# Altium PCB EL2086.PcbDoc (part 3 of 4)
Units mil, origin at the board's own origin, x right, y up, seen from the top; angles counter-clockwise.
Board outline 2480.31 x 1417.32 mil, 6 copper layers (L1_TOP, L2_GND, L3_HS, L4_POWER, L5_GND, L6_BOT), stack 61.6 mil thick; 259 components, 205 nets, 1000 pads, 534 vias.
Unrouted connection lines stored in the file: 92.
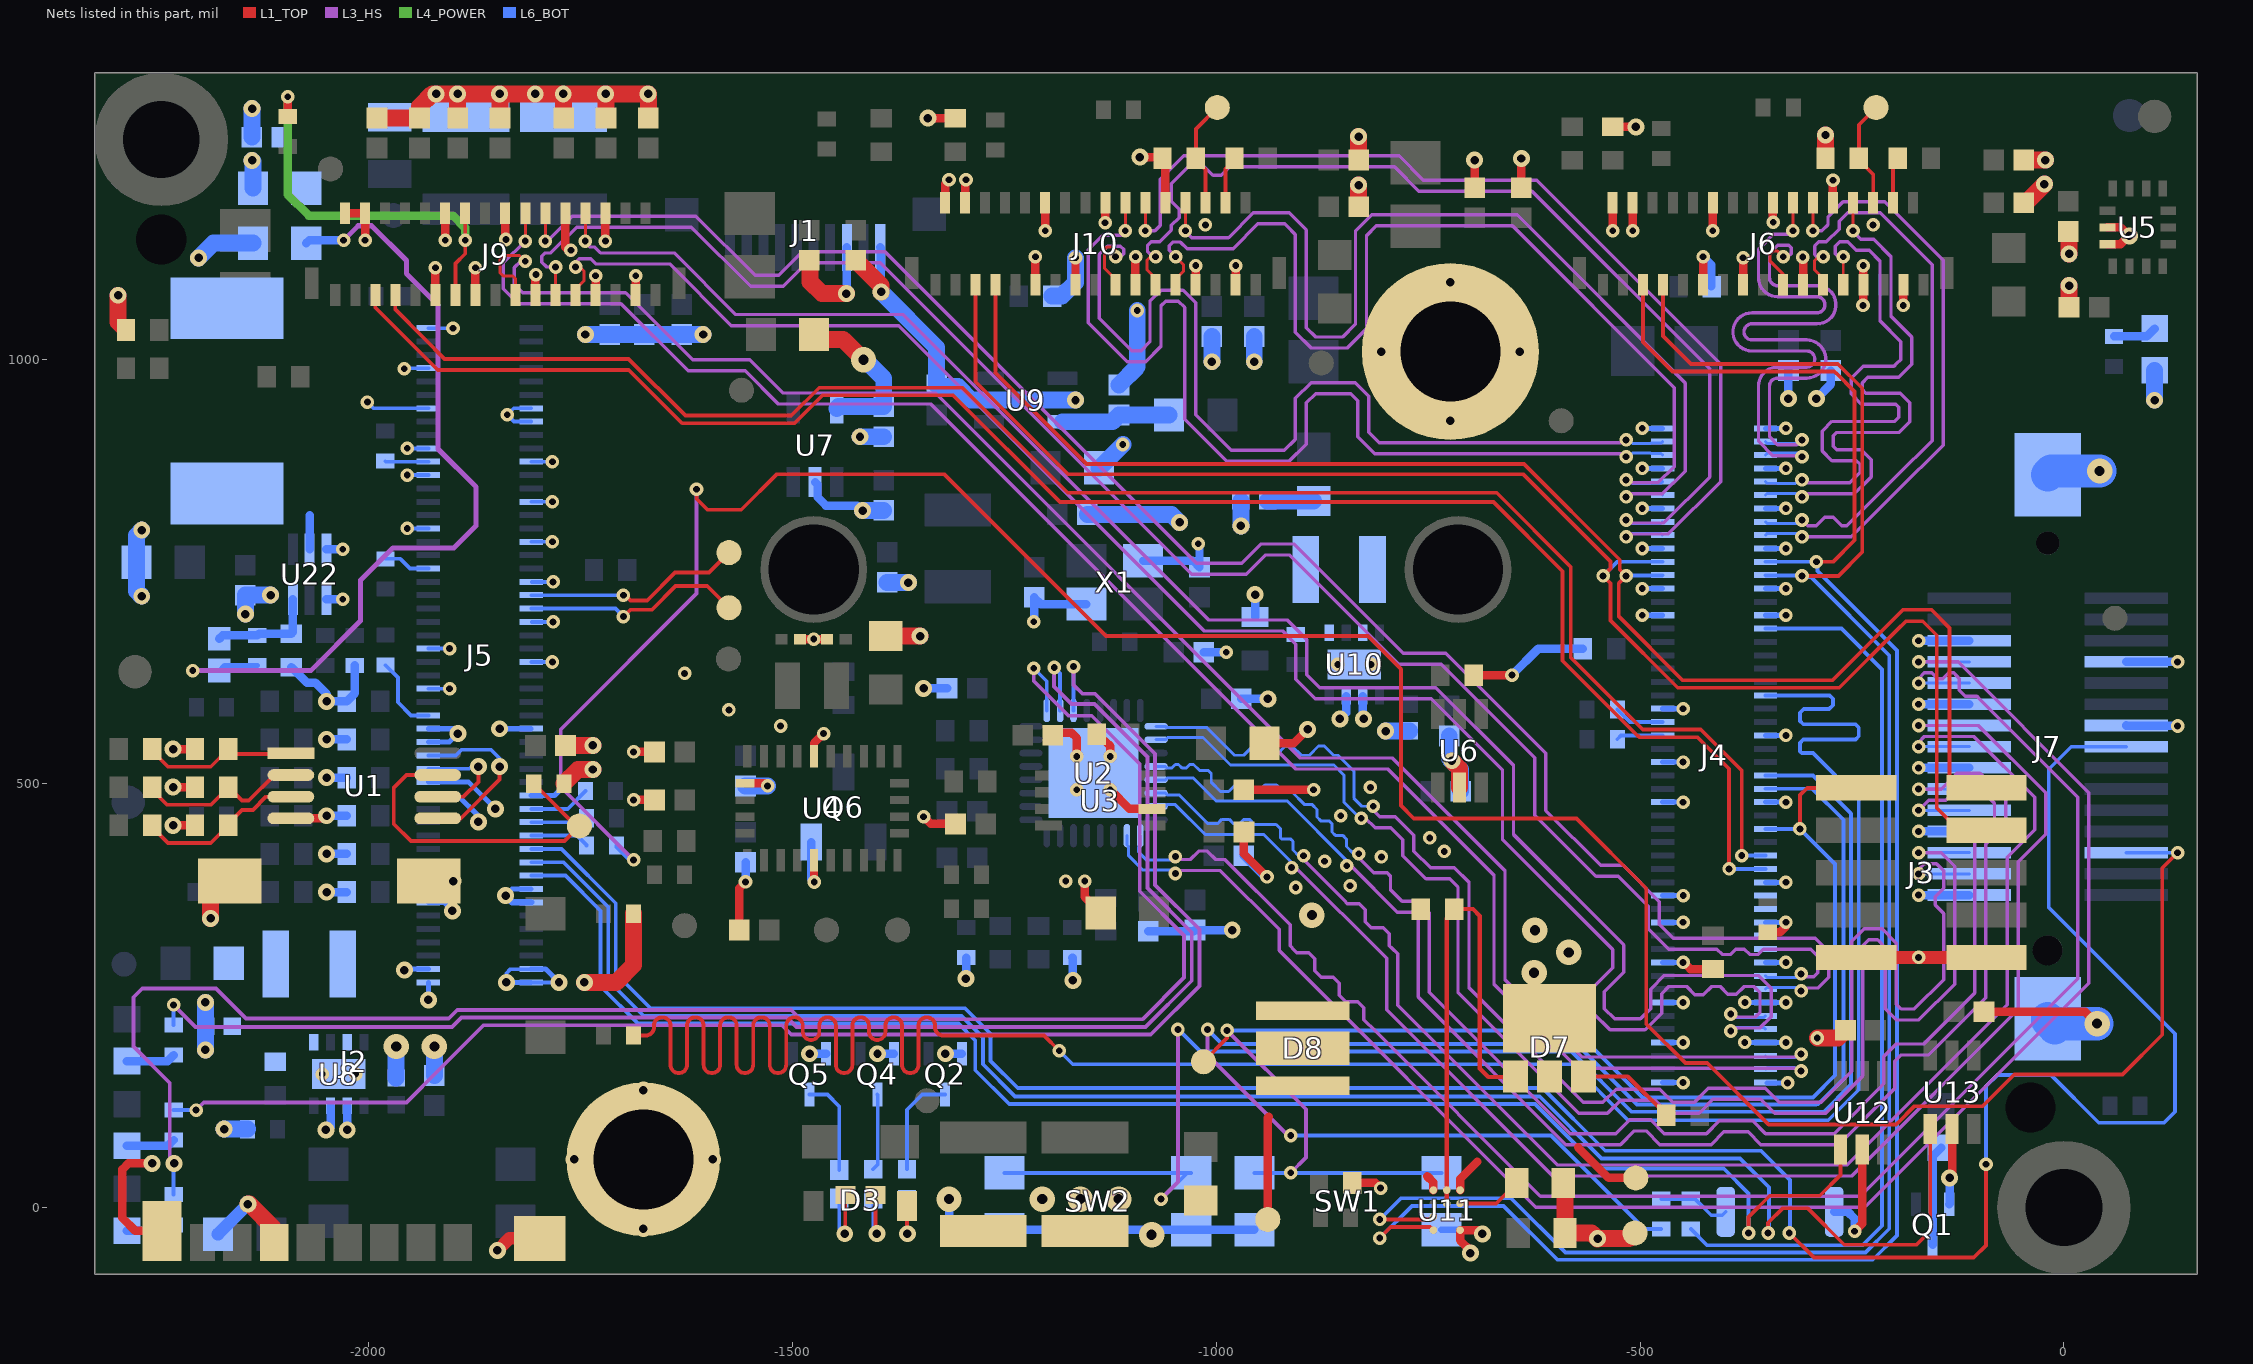
[diagram p7: the nets of this part, all layers, seen from the top]

## Via types
v1: diameter 16, hole 8, L1_TOP to L6_BOT, tented both sides, 345 vias
v2: diameter 20, hole 10, L1_TOP to L6_BOT, tented both sides, 147 vias
v3: diameter 30, hole 12, L1_TOP to L6_BOT, tented both sides, 34 vias
v4: diameter 20, hole 10, L1_TOP to L6_BOT, 8 vias

## Nets (pads, with @x,y where several pads share a name; then routed paths per layer and width w, separated by ;. In a path a pad name is that pad's centre, name@x,y a point inside that pad or via, vN(x,y) a via of type N, cw(c..) or ccw(c..) an arc to the next point about the centre after c; other vN are vias at no path point) (continued)
GND: B1.1 C1.2 C2.1 C3.1 C4.1 C5.1 C6.1 C7.1 C8.1 C9.1 C10.1 C11.1 C12.1 C13.1 C14.1 C15.1 C16.1 C19.1 C20.1 C21.1 C22.1 C23.1 C24.1 C25.1 C26.1 C27.2 C28.1 C29.1 C30.1 C31.1 C32.1 C33.1 C34.1 C35.1 C36.1 C37.1 C38.1 C39.1 C40.1 C41.1 C42.1 C43.1 C44.1 C45.1 C46.1 C47.1 C48.1 C49.1 C50.1 C56.1 C57.1 C58.1 C59.1 C60.1 C61.1 C62.1 C63.1 C64.1 C65.1 C66.2 C67.2 C77.1 C78.2 C80.1 C81.2 C82.2 C83.1 C100.1 C101.1 C102.1 C103.1 C105.1 C106.1 C107.1 C108.1 C109.1 C110.1 D2.1 D7.4 D8.2 J1.8 J1.10 J2.6 J2.11 J2.12 J2.13 J2.14 J3.9 J3.10 J4.1 J4.2 J4.7 J4.8 J4.13 J4.14 J4.19 J4.20 J4.25 J4.26 J4.30 J4.31 J4.43 J4.44 J4.50 J4.53 J4.58 J4.71 J4.72 J4.75 J4.76 J4.81 J4.82 J4.87 J4.88 J4.93 J4.94 J4.99 J4.100 J5.1 J5.2 J5.3 J5.4 J5.13 J5.14 J5.15 J5.16 J5.29 J5.30 J5.32 J5.38 J5.39 J5.40 J5.46 J5.49 J5.52 J5.55 J5.61 J5.67 J5.70 J5.73 J5.78 J5.79 J5.82 J5.85 J5.87 J5.88 J5.94 J5.100 J6.2 J6.4 J6.11 J6.12 J6.15 J6.18 J6.21 J6.24 J6.27 J6.31 J7.1 J7.4 J7.7 J7.10 J7.13 J7.19 J7.22 J7.P1 J7.P2 J9.2 J9.4 J9.11 J9.12 J9.15 J9.18 J9.21 J9.24 J9.27 J9.28 J9.31 J10.2 J10.4 J10.11 J10.12 J10.15 J10.18 J10.21 J10.24 J10.27 J10.31 MTG1. MTG2.1 Q1.2 Q2.2 Q4.2 Q5.2 Q6.2 R2.1 R9.2 R20.1 R21.1 R22.1 R23.1 R24.1 R25.1 R32.1 R33.1 R34.1 R35.1 R38.1 R39.1 R46.1 R53.1 R54.2 R55.1 R61.1 R68.1 R71.1 R74.1 R75.1 R78.1 R79.1 R80.1 R95.1 R122.1 R126.1 R127.1 R131.2 SW1.2 SW1.4 SW2.2 SW2.4 TP37.1 U1.4 U2.33 U3.2 U4.2 U4.10 U4.25 U5.6 U5.7 U6.2 U7.2 U8.2 U8.3 U8.9 U9.2 U10.2 U10.3 U10.9 U11.A1 U12.2 U13.2 U22.3 U22.4 X1.2 X1.4 | length 10269.7
  L1_TOP w10: v2(-2255,52) -2283,52 -2290,45 -2290,-12.13 -2274.72,-27.4 J2.13@-2243.25,-27.4 ; v2(-2230,450.81) R35.1@-2204.25,450.81 ; v2(-2230,495.81) R34.1@-2204.25,495.81 ; v2(-2230,540.81) R33.1@-2204.25,540.81 ; U1.4@-2091.18,459.04 -2052.07,459.04 v2(-2049,462.11) ; J9.2@-2027.38,1172.85 J9.4@-2003.75,1172.85 v1(-2003.75,1140.78) ; J9.11@-1920.78,1076.4 v1(-1920.78,1108.47) ; v1(-1909.27,1140.78) J9.12@-1909.27,1172.85 ; J9.15@-1873.54,1076.4 v1(-1873.54,1108.47) ; v1@-1838.58,1144.69 -1838.4,1144.87 J9.18@-1838.4,1172.85 ; J9.21@-1802.89,1076.61 -1802.89,1099.67 v1(-1802.17,1100.39) ; J9.24@-1767.53,1172.85 -1767.53,1132.53 -1764,1129 v1(-1761,1129) ; J9.27@-1731.81,1076.4 v1(-1731.81,1098.9) ; v1(-1720.29,1139.9) J9.28@-1720.29,1172.85 ; v1(-1687,480.75) C23.1@-1662.28,480.75 ; v1(-1687,537.42) C24.1@-1662.28,537.42 ; J9.31@-1684.56,1076.4 v1(-1684.56,1098.9) ; C27.2@-1562.28,327.42 -1562.28,376.82 v1(-1555,384.1) ; U4.2@-1555.45,500.43 -1532.15,500.43 v1(-1529,497.28) ; C29.1@-1490.54,670.42 v1(-1474.57,670.42) C28.1@-1458.85,670.42 ; U4.10@-1474.25,409.39 -1474.25,384.25 v1(-1474,384) ; U4.25@-1474.25,532.42 -1474.25,547.75 v1(-1462.92,559.08) v1@-1462.87,559.13 ; v1(-1345,461.06) -1336.36,452.42 C20.1@-1307.28,452.42 ; v2(-1340,1285) -1339.84,1284.84 -1307.73,1284.84 R122.1@-1307.57,1284.69 ; J10.2@-1319.67,1184.95 -1319.67,1207.47 v1(-1315,1212.14) ; J10.4@-1296.05,1184.95 -1296.05,1211.09 v1(-1295,1212.14) ; J10.11@-1213.08,1088.49 v1(-1213.08,1121.44) ; v1(-1201.56,1152) J10.12@-1201.56,1184.95 ; C16.1@-1192.74,557.09 -1189.83,560 -1170.54,560 -1164.25,553.71 v1(-1164.25,532.11) ; J10.15@-1165.84,1087.28 J10.15@-1165.84,1088.49 v1(-1165.84,1120.23) ; v1(-1155,385) -1155,366.36 C7.1@-1136.06,347.42 ; R46.1@-1140.75,558.07 -1140.75,556.1 -1134.92,550.28 -1130.91,550.28 -1124.88,544.25 v1(-1124.88,532.11) ; v1(-1130.91,1161.42) -1130.7,1161.63 J10.18@-1130.7,1184.95 ; v1(-1124.88,492.74) -1102.3,470.16 U3.2@-1075.67,470.16 ; J10.21@-1095.19,1088.71 -1095.19,1121.23 v1(-1094.97,1121.44) ; v2(-1090,1239) -1089.71,1238.71 -1065.71,1238.71 -1059.83,1232.83 J10.24@-1059.83,1184.95 ; J10.27@-1024.1,1088.49 v1(-1024.1,1111) ; J10.31@-976.86,1088.49 v1(-976.86,1111) ; C14.1@-967.28,492.74 v1(-885,492.74) ; C19.1@-967.11,443 -967.11,417.11 v1(-940,390) ; C8.1@-943.07,547.42 -908.58,547.42 v2(-892,564) ; R78.1@-839.32,29 -812,29 v1(-806,23) ; v2(-700,-53.74) -700,-51 -712.25,-38.75 U11.A1@-712.25,-26.62 -690.38,-26.62 v2(-686,-31) ; R80.1@-696.32,628 v1(-651,628) ; C34.1@-695,1202.67 v2(-695,1235.42) ; C35.1@-640,1202.67 v2(-640,1237.28) ; v1(-532.27,1152) J6.2@-532.27,1184.95 ; R53.1@-532.27,1274.69 v2(-505,1274.69) ; v1(-508.65,1152) J6.4@-508.65,1184.95 ; v1(-449.26,289.14) -448.46,289.14 -440.63,281.32 R75.1@-414,281.32 ; J6.11@-425.68,1088.49 v1(-425.68,1121.44) ; v1(-414.16,1152) J6.12@-414.16,1184.95 ; J6.15@-378.43,1087.28 v1(-378.43,1120.23) ; R9.2@-349.57,324.7 -335,324.7 -328,331.7 v1(-328,336.39) ; J6.18@-343.29,1184.95 -343.29,1162.29 v1(-343,1162) ; v1(-308,1121) -307.78,1120.78 -307.78,1088.71 J6.21@-307.57,1088.49 ; J6.24@-272.43,1184.95 v1(-272.43,1211.75) ; v1(-247,-28) -238,-19 U12.2@-238,68.69 ; v1(-237,1064) -236.68,1064.32 -236.68,1088.47 v1(-236.7,1111) ; v1(-189.46,1064) J6.31@-189.46,1087.28 ; v2(-135,35) -132,38 U13.2@-132,92.69 ; C39.1@-94.28,231 25,231 v3(39,217) ; U5.7@51.15,1136.31 66.95,1136.31 76.63,1146 v2(77.23,1146) 76.95,1146 66.95,1156 U5.6@51.15,1156
  L1_TOP w15: v2(-1847.66,-50.53) -1833.39,-36.26 J2.14@-1797.58,-36.26 ; J3.9@-245,295 v1(-171.48,295) J3.10@-91.46,295
  L1_TOP w20: v2(-2295,1076) -2295,1044.32 R95.1@-2285.69,1035 ; v2(-2186,341) -2186,362.52 J2.12@-2163.52,385 ; v2(-2142,4) -2140,4 -2110.96,-25.04 J2.6@-2110.96,-41.18 ; C59.1@-1989.57,1285.14 C58.1@-1939.57,1285.14 -1939.57,1298.43 -1924.42,1313.58 v2(-1920,1313.58) v2(-1894.57,1313.58) ; C56.1@-1894.57,1285.14 v2(-1894.57,1313.58) ; C57.1@-1844.57,1285.14 -1844.57,1313.15 v2(-1845,1313.58) ; C65.1@-1769.57,1285.14 -1769.57,1313.15 v2(-1770,1313.58) ; R32.1@-1769.35,500 -1752.68,516.67 v2(-1735,516.67) ; C2.1@-1767.27,545 v2(-1735,545) ; v2(-1745,265.52) -1707.48,265.52 -1687,286 R2.1@-1687,346.61 ; C63.1@-1719.57,1285.14 -1719.57,1313.15 v2(-1720,1313.58) ; C64.1@-1669.57,1285.14 -1669.57,1313.15 v2(-1670,1313.58) v2(-1720,1313.58) ; C107.1@-1480,1117.28 -1478.73,1116.02 -1478.73,1091.72 -1465.02,1078 v2(-1436,1078) ; C108.1@-1425,1117.28 -1395,1087.28 v2(-1395,1080) ; C3.1@-1389.57,673.92 -1349.08,673.92 v2(-1349,674) ; C109.1@-831.85,1180.42 v2(-831.85,1206) ; C110.1@-831.85,1235.42 v2(-831.85,1263) ; v2(-722,527) -713,518 U6.2@-713,495.51 ; C78.2@-590.44,29 -588.44,27 C77.1@-588.44,-30 -557,-30 -550,-37 v2(-550,-36.74) -512.74,-36.74 TP37.1@-506,-30 ; v1(-291,200) -266.72,200 C50.1@-257.72,209 ; R54.2@-281.25,1237.42 v2(-281.25,1265) ; C36.1@-47.28,1185.13 -45.08,1187.34 -42.66,1187.34 v2(-23,1207) ; C37.1@-47.28,1235.45 v2(-22,1235.45) ; C30.1@6,1062 v2(6,1087.28) ; v2(6,1124.72) C31.1@6,1150 ; v2(-1894.57,1313.58) v2(-1845,1313.58) ; v2(-1845,1313.58) v2(-1803,1313.58) v2(-1770,1313.58) ; v2(-1770,1313.58) v2(-1720,1313.58)
  L6_BOT w4.3: v2(-1837,265.52) -1837,276.42 -1832.15,281.27 J5.3@-1807.8,281.27 ; J5.1@-1807.8,265.52 v2(-1775,265.52)
  L6_BOT w4.5: v1(-2001,950) -1993.69,942.69 J5.88@-1929.05,942.69 ; v1(-1957.58,989.42) -1957.07,989.93 J5.94@-1929.05,989.93 ; v1(-1954.07,800.96) J5.70@-1929.05,800.96 ; v1(-1954.07,863.95) J5.78@-1929.05,863.95 ; v1(-1954.07,895.44) J5.82@-1929.05,895.44 ; J5.46@-1929.05,611.98 v1(-1904.04,611.98) ; J5.100@-1929.05,1037.18 v1(-1900,1037.18) ; J5.52@-1929.05,659.22 v1(-1903.99,659.22) ; J5.49@-1807.8,643.48 v1(-1782.78,643.48) ; J5.67@-1807.8,785.21 v1(-1782.78,785.21) ; J5.73@-1807.8,832.45 v1(-1782.78,832.45) ; J5.79@-1807.8,879.7 v1(-1782.78,879.7) ; J5.85@-1807.8,926.94 -1827.94,926.94 v1(-1836,935) -1828.31,942.69 J5.87@-1807.8,942.69 ; J5.55@-1807,690.72 v1(-1781.99,690.72) ; J5.61@-1807,737.96 v1(-1781.99,737.96)
  L6_BOT w6: v2(-1957.28,280) -1957.28,281.42 -1957.14,281.27 J5.4@-1929.05,281.27 ; v2(-1929.05,245) J5.2@-1929.05,265.52 ; J5.14@-1929.05,360.01 -1910.76,360.01 v2(-1900.75,350) ; J5.16@-1929.05,375.76 -1909.24,375.76 v2(-1900,385) ; J5.30@-1929.05,485.99 -1894.3,485.99 -1870,461.7 v2(-1870,455) ; J5.32@-1929.05,501.74 -1881.5,501.74 v2(-1850,470.25) ; J5.38@-1929.05,548.99 -1904.31,548.99 v2(-1894.3,559) -1900.03,564.74 J5.40@-1929.05,564.74 ; v2(-1845,564.74) J5.39@-1807.8,564.74 ; v2(-1838,368) -1830.24,375.76 J5.15@-1807.8,375.76 ; v2(-1837,265.52) J5.1@-1807.8,265.52 ; J5.3@-1807.8,281.27 -1790.75,281.27 v2(-1775,265.52) ; J5.29@-1807.8,485.99 -1780.36,485.99 -1749.78,516.58 -1735.09,516.58 v2(-1735,516.67) ; v1(-497.43,698.59) J4.72@-473.35,698.59 ; v1(-497.43,730.09) J4.76@-473.35,730.09 ; v1(-497.43,777.33) J4.82@-473.35,777.33 ; v1(-497.43,824.58) J4.88@-473.35,824.58 ; v1(-497.43,871.82) J4.94@-473.35,871.82 ; v1(-497.43,919.07) J4.100@-473.35,919.07 ; J4.2@-473.35,147.41 v1(-449.26,147.41) ; J4.8@-473.35,194.66 v1(-449.26,194.66) ; J4.14@-473.35,241.9 v1(-449.26,241.9) ; J4.20@-473.35,289.14 v1(-449.26,289.14) ; J4.26@-473.35,336.39 v1(-449.26,336.39) ; J4.30@-473.35,367.88 -449.12,367.88 v1(-449,368) ; J4.44@-473.35,478.12 v1(-449.26,478.12) ; J4.50@-473.35,525.37 v1(-449.26,525.37) ; J4.58@-473.35,588.36 v1(-449.26,588.36) ; v1@-376.45,194.71 J4.7@-352.39,194.71 ; v1(-376.25,242) v1(-376.25,242) -352.14,241.95 J4.13@-352.09,241.9 v1(-328,241.9) ; J4.7@-352.09,194.66 v1(-328,194.66) ; J4.19@-352.09,289.14 v1(-328,289.14) ; J4.25@-352.09,336.39 v1(-328,336.39) ; J4.31@-352.09,383.63 v1(-328,383.63) ; J4.43@-352.09,478.12 v1(-328,478.12) ; J4.53@-352.09,556.86 v1(-328,556.86) ; J4.71@-352.09,698.59 v1(-328,698.59) ; J4.75@-352.09,730.09 v1(-328,730.09) ; J4.81@-352.09,777.33 v1(-328,777.33) ; J4.87@-352.09,824.58 v1(-328,824.58) ; J4.93@-352.09,871.82 v1(-328,871.82) ; J4.99@-352.09,919.07 v1(-328,919.07) ; J4.1@-350,147 v1(-325.91,147)
  L6_BOT w8: v2(-1838,368) -1830.01,360.01 J5.13@-1807.8,360.01 ; SW1.4@-734.33,-26.04 -690.96,-26.04 v2(-686,-31)
  L6_BOT w10: R127.1@-2090.74,637.42 -2072.22,618.9 -2062.25,618.9 -2049,605.66 v2(-2049,597.11) R20.1@-2025.17,597.11 -2015.74,606.54 R126.1@-2015.74,639.39 ; v2(-2050,91.5) -2050,90 -2044.41,95.59 U8.3@-2044.41,120.02 ; U22.4@-2049.4,717.42 v1(-2030,717.42) ; U22.3@-2049.4,776.48 v1(-2030,776.48) ; v2(-2049,372.11) R25.1@-2025.17,372.11 ; v2(-2049,417.11) R24.1@-2025.17,417.11 ; v2(-2049,462.11) R23.1@-2025.17,462.11 ; v2(-2049,507.11) R22.1@-2025.17,507.11 ; v2(-2049,552.11) R21.1@-2025.17,552.11 ; v2(-2024.72,91.5) U8.2@-2024.72,120.02 ; v1(-1555,384.1) -1555,385 C25.1@-1555,407.28 ; v2(-1479.35,181.44) Q5.2@-1459.88,181.44 ; Q6.2@-1477.36,431.08 -1477.36,387.36 v1(-1474,384) ; U7.2@-1473,855.69 -1470.13,852.82 -1470.13,837.85 -1460.27,828 -1423,828 v2(-1417,822) ; v2(-1436,1078) -1435.51,1078.49 J1.8@-1435.51,1132.42 ; v2(-1399.35,181.44) Q4.2@-1379.88,181.44 ; J1.10@-1396.14,1132.42 -1395.57,1131.85 -1395.57,1080.57 v2(-1395,1080) ; v2(-1345,612.42) C12.1@-1317.28,612.42 ; v2(-1319.35,181.44) Q2.2@-1299.88,181.44 ; v3(-1315,10) -1315,-15 -1303.96,-26.04 -1081.96,-26.04 v3(-1076,-32) -1070.04,-26.04 SW1.2@-954.8,-26.04 ; v2(-1295,270) -1294.78,270.22 -1294.78,294.49 R39.1@-1294.57,294.7 ; v1(-1215,691) -1214.57,691.43 C21.1@-1214.57,719.7 -1206.69,711.83 X1.4@-1153.03,711.83 ; R38.1@-1169.57,294.7 -1169.28,294.42 -1169.28,268.28 v2(-1169,268) ; X1.2@-1086.1,763.01 -1027.44,763.01 C22.1@-1019.57,755.14 -1019.57,781.57 v1(-1021,783) ; C11.1@-1080,325.77 -1026.52,325.77 C10.1@-1025,327.28 v2(-980.97,327.28) ; C15.1@-1014.57,655 v1(-988,655) ; C4.1@-970.29,600 v2(-939,600) ; C13.1@-967.28,415 -942.28,390 v1(-940,390) ; R71.1@-954,696.59 v2(-954,723) ; v2(-854,576.31) -854,576 -846.69,583.31 U10.3@-846.69,603.2 ; U10.2@-827,603.2 -827,577.31 v2(-826,576.31) ; v1(-651,628) -620,659 R74.1@-567.37,659 ; v1(-425.68,1121.44) -416,1111.77 R61.1@-416,1086.69 ; v2(-325,954) C32.1@-325,987.28 ; v2(-292,954) -275,971 C33.1@-275,986.78 ; B1.1@-271.02,-5 -255,-5 -247,-13 v1(-247,-28) ; v1(-171.48,368.58) J7.1@-111.69,368.58 ; v1(-171.48,443.58) J7.4@-111.69,443.58 ; v1(-171.48,518.58) J7.7@-111.69,518.58 ; v1(-171.48,593.58) J7.10@-111.69,593.58 ; v1(-171.48,668.58) J7.13@-111.69,668.58 ; Q1.2@-135.32,4.02 -135,4.33 v2(-135,35) ; J7.22@73.35,568.58 73.65,568.29 133.71,568.29 v1(134,568) ; J7.19@73.35,643.58 v1(134,643.58)
  L6_BOT w15: C1.2@-2177.06,-31.58 -2177.06,-31.06 v2(-2142,4)
  L6_BOT w20: C80.1@-2273.5,761.16 v2@-2273.5,792.62 ; v2(-2267.12,721) -2273.5,727.38 v2@-2273.5,792.62 ; v2(-2267.12,799) v2@-2273.5,792.62 ; v2(-2200,1120) -2182.58,1137.42 C101.1@-2136.06,1137.42 ; v2(-2192,186) -2191.75,186.25 C46.1@-2191.75,214 -2191.75,241.75 v2(-2192,242) ; v2(-2170,92.42) R68.1@-2142.28,92.42 ; v2(-2145,700) C100.1@-2145,722.28 -2115.07,722.28 v2(-2115,722.22) ; C103.1@-2137.28,1262.42 -2137.28,1295.72 v2(-2137,1296) ; v2(-2137,1235) -2136.06,1234.06 C102.1@-2136.06,1202.42 ; C42.1@-1967,152.75 v3(-1967,190) ; C43.1@-1922,155.72 v3(-1922,190) ; v2(-1770,1313.58) -1769.57,1313.58 C66.2@-1769.57,1287.54 ; v2(-1743.91,1029.7) C60.1@-1715,1029.7 C61.1@-1674.57,1029.7 C62.1@-1630.35,1029.7 v2(-1605,1029.7) ; C26.1@-1555,497.28 v1(-1529,497.28) ; v2(-1420,909.11) C41.1@-1392,909.11 ; v2(-1417,822) -1416.72,822.28 C40.1@-1392,822.28 ; v2(-1395,1080) -1329.57,1014.57 C44.1@-1329.57,970.14 -1327.64,968.21 -1304.66,968.21 -1288.87,952.42 v2(-1165.84,952.42) ; C6.1@-1388,737.42 -1387.58,737 v2(-1363,737) ; R55.1@-1193.39,1075 -1182,1075 -1165.84,1091.16 v1(-1165.84,1120.23) ; C9.1@-1151.85,817.42 -1052.42,817.42 v2(-1043,808) ; C5.1@-1138.07,872.42 -1137.58,872.42 v1(-1110,900) ; C45.1@-1114.57,970.14 -1093,991.7 v1(-1093,1058) ; v2(-1005,997.6) C106.1@-1005,1027.28 ; v2(-970.75,804) C49.1@-970.75,833.5 ; v2(-955,997.6) C105.1@-955,1027.28 ; v2(-800,562) -799.75,562.25 C47.1@-772,562.25 ; C48.1@-725,556.28 -725,530 v2(-722,527) -711.57,516.57 C38.1@-711.57,491 ; v2(107,952.14) D2.1@107,987.54
  L6_BOT w39.37: J7.P1@-19.17,222.72 -19.17,220.68 -10.74,212.26 -6,217 v3(39,217) ; J7.P2@-19.17,864.45 -14.88,868.73 v3(42,868.73)
  other v1: -2054.25,157.42 -2014.88,157.42 -376.5,194.76 -906,377.51 -842,379.51 -1177.35,385 -872,408.34 -805,413.51 -731,420 -748,436 -853,462 -1164.25,492.74 -818,495.51 -1513.62,568 -1574.57,587 -1626.85,630 -856.53,640.6 -817.16,640.6 -1837.6,1141.73 -1012.59,1159 -225.18,1159
  other v3: -1205,10 -1160,10 -1115,10 -624.92,277 -584,301 -624,327 -887,345
  other v4: -1675.51,-24.83 -1757.2,56.87 -1593.82,56.87 -1675.51,138.56 -723.74,927.93 -805.43,1009.62 -642.05,1009.62 -723.74,1091.32
GPIO7/sd_hst_cd: J4.59 R1.1 | length 3031.4
  L1_TOP w4.5: R1.1@-1686.93,203 -1674.98,203 -1672.73,203 ccw(c-1672.73,212.75) -1662.98,212.75 -1662.98,214.66 cw(c-1653.23,214.66) -1643.48,214.66 -1643.48,168.41 ccw(c-1633.73,168.41) -1623.98,168.41 -1623.98,214.66 cw(c-1614.23,214.66) -1604.48,214.66 -1604.48,168.41 ccw(c-1594.73,168.41) -1584.98,168.41 -1584.98,214.66 cw(c-1575.23,214.66) -1565.48,214.66 -1565.48,168.41 ccw(c-1555.73,168.41) -1545.98,168.41 -1545.98,214.66 cw(c-1536.23,214.66) -1526.48,214.66 -1526.48,168.41 ccw(c-1516.73,168.41) -1506.98,168.41 -1506.98,214.66 cw(c-1497.23,214.66) -1487.48,214.66 -1487.48,207.44 ccw(c-1477.73,207.44) -1467.98,207.44 -1467.98,214.66 cw(c-1458.23,214.66) -1448.48,214.66 -1448.48,168.41 ccw(c-1438.73,168.41) -1428.98,168.41 -1428.98,214.66 cw(c-1419.23,214.66) -1409.48,214.66 -1409.48,207.44 ccw(c-1399.73,207.44) -1389.98,207.44 -1389.98,214.66 cw(c-1380.23,214.66) -1370.48,214.66 -1370.48,168.41 ccw(c-1360.73,168.41) -1350.98,168.41 -1350.98,214.66 cw(c-1341.23,214.66) -1331.48,214.66 -1331.48,212.75 ccw(c-1321.73,212.75) -1321.73,203 -1304.88,203 -1203,203 v1(-1185,185)
  L6_BOT w4.5: v1(-1185,185) -1169,169 -580,169 -514,103 -278,103 -242,139 -242,482 -296,536 -309.33,536 -311.42,538.09 -311.42,548 -307.42,552 -245.88,552 -242,555.88 -242,566 -246,570 -307.42,570 -311.42,574 -311.42,583.58 -307,588 -277,588 -272.51,592.49 -272.51,600.12 -276.5,604.11 J4.59@-352.09,604.11
HWEN: D7.3 R79.2 U11.C2 U11.D2 | length 610.6
  L1_TOP w5: U11.C2@-728,4.87 U11.D2@-728,20.62 -728,341.35 -719.31,350.03 R79.2@-719.31,352 -697,352 -689,344 -689,164 -679,154 -647.65,154 D7.3@-647.13,154.53
I2C0_SCL: J5.34 U1.6 | length 138.3
  L1_TOP w4.5: U1.6@-1917.95,484.63 -1887.43,484.63 -1870,502.05 v2(-1870,520)
  L6_BOT w4.5: J5.34@-1929.05,517.49 -1880.81,517.49 -1873.3,525 -1870,521.7 v2(-1870,520)
I2C0_SDA: J5.36 U1.5 | length 208
  L1_TOP w4.5: U1.5@-1917.95,459.04 -1890.96,459.04 -1845,505 v2(-1845,520)
  L6_BOT w4.5: J5.36@-1929.05,533.24 -1896.76,533.24 -1890,540 -1855,540 -1845,530 v2(-1845,520)
I2C1_SCL: J4.35 J9.7 | length 2048.8
  L1_TOP w4.5: J9.7@-1968.03,1076.4 -1968.03,1059.03 -1934,1025 -1910,1001 -1693,1001 -1626,934 -1501,934 -1468,967 -1299,967 -1175,843 -669,843 -581.69,755.69 -581.69,648.69 -496.79,563.79 -428.43,563.79 -380,515.37 v1(-380,415.13)
  L6_BOT w4.5: v1(-380,415.13) J4.35@-352.09,415.13
I2C1_SDA: J4.33 J9.5 | length 2087.1
  L1_TOP w4.5: J9.5@-1991.65,1076.4 -1991.65,1061.65 -1918,988 -1742,988 -1692.73,988 -1629.73,925 -1497.27,925 -1464.27,958 -1310.29,958 -1184.29,832 -673,832 -591.54,750.54 -591.54,644.89 -502.64,556 -501.73,556 -500.52,554.79 -432.15,554.79 -395,517.64 v1(-395,399.38)
  L6_BOT w4.5: v1(-395,399.38) J4.33@-352.09,399.38
I2C2_SCL: J4.77 J6.7 U11.B3 | length 2172.3
  L1_TOP w4.5: v1(-807,-14) -746.87,-14 U11.B3@-743.75,-10.87 ; J6.7@-472.92,1088.49 -472.92,1027.92 -440,995 -266.73,995 -238,966.27 -238,773 -266,745 v1(-309,745)
  L6_BOT w4.5: v1(-807,-14) -782,11 -652,11 -588.01,-52.99 -233.99,-52.99 -206,-25 -206,651 -298.54,743.54 -307.54,743.54 v1(-309,745) -309.42,745.42 -351.67,745.42 J4.77@-352.09,745.84
I2C2_SDA: J4.79 J6.5 U11.A3 | length 2200.4
  L1_TOP w4.5: v1(-807,-36) -794,-23 -747.37,-23 U11.A3@-743.75,-26.62 ; J6.5@-496.54,1088.49 -496.54,1020.87 -461.68,986 -270.94,986 -268.94,984 -268.46,984 -247,962.54 -247,787 -272.41,761.59 v1(-292,761.59)
  L6_BOT w4.5: v1(-807,-36) -769,2 -661,2 -597.51,-61.49 -225.49,-61.49 -197,-33 -197,657 -290.83,750.83 -290.83,760.42 v1(-292,761.59) J4.79@-352.09,761.59
I2C3_SCL: J3.2 J4.78 J10.7 | length 1737.9
  L1_TOP w4.5: J10.7@-1260.32,1088.49 -1260.32,984.49 -1152.84,877 -637,877 -524,764 -524,752.57 v1(-516.43,745) -525,736.43 -525,697.1 -449.9,622 -273,622 -197,698 -190,705 -156.42,705 -135,683.58 -135,507.46 -122.54,495 J3.2@-91.46,495
  L6_BOT w4.5: v1(-516.43,745) -516.01,745.42 -473.77,745.42 J4.78@-473.35,745.84
I2C3_SDA: J3.4 J4.80 J10.5 | length 1835.4
  L1_TOP w4.5: J10.5@-1283.95,1088.49 -1283.95,973.95 -1175,865 -638,865 -535,762 -535,753.59 v1(-543.59,745) -535,736.41 -535,692.57 -455.43,613 -265,613 -197,681 -186.49,691.51 -166.51,691.51 -150,675 -150,471.26 -123.74,445 J3.4@-91.46,445
  L6_BOT w4.5: v1(-543.59,745) -527.01,761.59 J4.80@-473.35,761.59
I2C4_SCL_1V8: J5.59 TP36.1 | length 259.2
  L1_TOP w4.5: v1(-1699,722.22) -1696.79,722.22 -1690.57,716 -1671,716 -1638,749 -1597.99,749 TP36.1@-1574.57,772.42
  L6_BOT w4.5: J5.59@-1807.8,722.22 -1742,722.22 v1(-1699,722.22)
I2C4_SDA_1V8: J5.57 TP25.1 | length 262.7
  L1_TOP w4.5: v1(-1699,697) -1698.57,697 -1690.57,705 -1665.49,705 -1637.49,733 -1600.15,733 TP25.1@-1574.57,707.42
  L6_BOT w4.5: J5.57@-1807.8,706.47 -1742,706.47 -1708.47,706.47 v1(-1699,697)
IO28/I2S2_SCK: J5.17 U12.1 | length 1888.6
  L1_TOP w4.3: v1(-372,-30) -372,-11 -347,14 -288,14 -263.59,38.41 U12.1@-263.59,68.69
  L6_BOT w4.5: J5.17@-1807.8,391.51 -1767.51,391.51 -1726,350 -1726,261 -1682,217 -1304,217 -1284,197 -1284,162 -1244,122 -624,122 -548,46 -401.22,46 -372,16.78 v1(-372,-30)
IO29/I2S2_WS: J5.19 U13.1 | length 2097.6
  L1_TOP w4.3: v1(-349,-30) -349,-18 -332,-1 -302,-1 -259,-44 -174,-44 -157.59,-27.59 U13.1@-157.59,92.69
  L6_BOT w4.5: J5.19@-1807.8,407.25 -1769.76,407.25 -1717,354.49 -1717,268 -1675,226 -1300.27,226 -1275,200.73 -1275,169 -1237,131 -618.27,131 -545.27,58 -382,58 -348,24 -348,-29 v1(-349,-30)
IO50/I2S2_IN_SD0: J5.21 J7.23 | length 3040.5
  L1_TOP w4.5: v1(-324,-30) -295,-59 -106.41,-59 -92,-44.59 v1(-92,51)
  L6_BOT w4.5: J5.21@-1807.8,423 -1772,423 -1708,359 -1708,276 -1667,235 -1296,235 -1266,205 -1266,173 -1234,141 -615,141 -541,67 -357.42,67 -323,32.58 -323,-30 v1(-324,-30) ; v1(-92,51) -92,76.06 -92,143 -78.5,156.5 -15.5,156.5 40.96,100.04 118.04,100.04 131,113 131,205 -18,354 -18,517 8.58,543.58 J7.23@73.35,543.58
KB-IO14_FSYNC: J4.56 R10.1 | length 59.6